# Allegro board MB1248D.brd (continued)
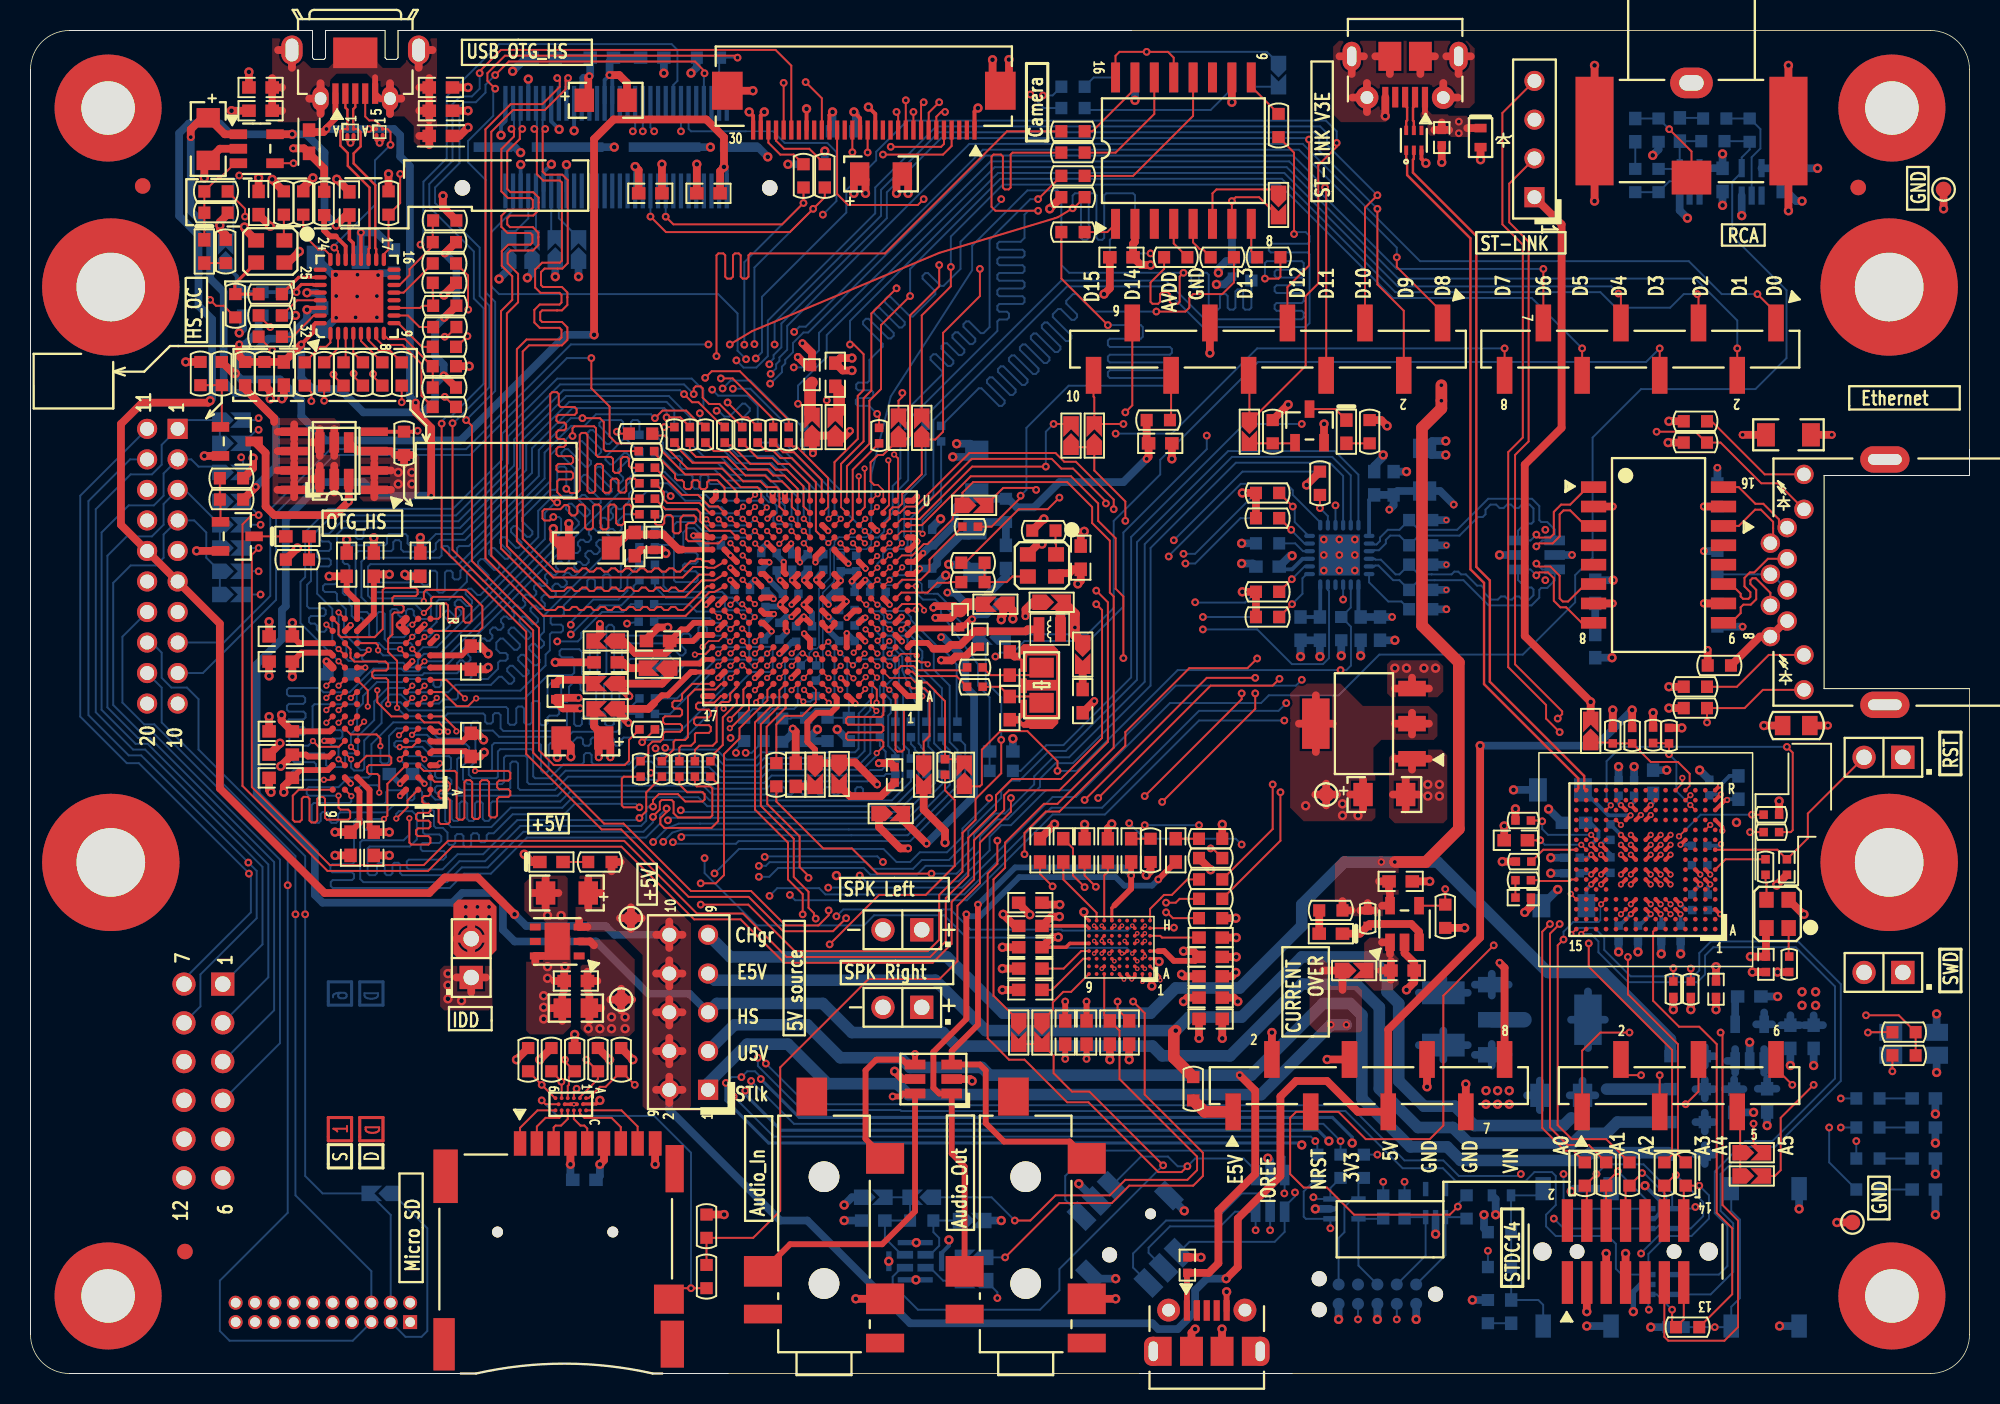
[diagram p0: board, top side]
## Routing (per net, layer and track width the routed paths; a pad name or vN(x,y) marks a point on that pad's centre or on a via; arc(x,y) is an arc through that point) (continued)
  BOTTOM w0.127: SB45.2 63.33,5.32 v1(63.33,4.94)
NETR88_1: length 11.8
  TOP w0.127: R88.1 40.47,40.63 40.47,41.14 40.73,41.4 41.24,41.4 41.43,41.59 41.43,41.92 41.56,42.05 42.55,42.05 42.68,42.17 42.68,42.43 42.55,42.56 41.56,42.56 41.43,42.68 41.43,42.94 41.56,43.06 42.55,43.06 42.68,43.19 42.68,43.44 42.55,43.57 42.17,43.57 42.04,43.7 42.04,43.95 42.17,44.08 42.55,44.08 42.68,44.21 42.68,44.52 43.35,45.19 U6.B17
NETR89_1: length 8.1
  TOP w0.127: R89.1 42.12,40.88 42.12,41.39 42.25,41.52 42.88,41.52 43.06,41.7 43.06,44.36 43.52,44.82 44.86,44.82 45.23,45.19 U6.B16
NETR90_2: length 10.2
  TOP w0.127: R90.2 42.5,41.01 42.63,41.14 43.26,41.14 43.52,41.39 43.52,41.9 43.59,41.97 44.43,41.97 44.56,42.1 44.56,42.36 44.43,42.48 43.59,42.48 43.46,42.61 43.46,42.86 43.59,42.99 44.43,42.99 44.56,43.12 44.56,43.37 44.43,43.5 43.72,43.5 43.59,43.63 43.59,43.83 43.72,43.96 44.79,43.96 45.22,44.39 U6.A16
NETR91_2: length 7
  TOP w0.127: U6.B15 46.26,44.97 45.83,44.54 45.83,44.11 45.71,44 45.26,44 44.94,43.68 44.94,41.39 44.68,41.14 43.8,41.14 43.52,40.85 R91.2
NETR92_2: length 5
  TOP w0.127: R92.2 44.79,40.37 44.79,40.63 45.34,41.19 45.34,42.99 46.26,43.91 U6.A15
NETR93_2: length 7.1
  TOP w0.102: 51.44,43.98 51.44,44.81 U6.B9
  TOP w0.127: R93.2 48.85,42.53 49.41,43.09 50.55,43.09 51.44,43.98
NETR94_2: length 6.7
  TOP w0.102: U9.L4 v2(107.98,35.2)
  TOP w0.127: R94.2 v1(112.76,36.62)
  BOTTOM w0.127: v2(107.98,35.2) 109.39,36.62 v1(112.76,36.62)
NETR99_1: length 12.6
  TOP w0.127: R99.1 77.42,34.41 v1(77.3,34.41) ; U12.D4 71.67,27.52 v3(71.49,27.52) U12.D5
  L4_SIG w0.102: v1(77.3,34.41) 75.9,33.01 75.9,29.18 74.46,27.74 72.38,27.74 72.29,27.82 71.79,27.82 v3(71.49,27.52)
NETR100_2: length 3.3
  TOP w0.127: R100.2 99.08,34.32 U9.J15
NETR102_1: length 1.7
  TOP w0.127: R102.1 113.64,32.21 113.71,32.15 X4.3
NETR102_2: length 3.6
  TOP w0.127: U9.G1 111.02,33.69 R102.2
NETR103_2: length 4.8
  TOP w0.127: U12.H1 73.33,29.68 73.33,30.44 74.05,31.16 74.05,31.17 74.24,31.36 74.76,31.36 75.77,32.37 R103.2
NETR104_1: length 3
  TOP w0.127: R104.1 98.75,32.32 98.8,32.27 100.83,32.27 100.93,32.37 U9.F15
NETR105_2: length 5.5
  TOP w0.127: R105.2 75.27,31.1 75.01,30.85 v1(74.38,30.85) ; U12.F3 v3(72.49,28.84)
  L4_SIG w0.102: v1(74.38,30.85) 73.94,30.85 72.49,29.39 v3(72.49,28.84)
NETR108_1: length 4.3
  TOP w0.127: v1(74.38,30.21) 74.45,30.21 74.83,29.83 R108.1 ; U12.G2 v3(72.99,29.34)
  L4_SIG w0.102: v1(74.38,30.21) 73.86,30.21 v3(72.99,29.34)
NETR110_2: length 1.9
  TOP w0.127: R110.2 115.16,27.36 X4.1
NETR111_2: length 4.9
  TOP w0.102: U9.C6 v2(107.42,30.09)
  TOP w0.127: R111.2 v1(107.6,26.56)
  L4_SIG w0.102: v1(107.6,26.56) 107.42,26.74 v2(107.42,30.09)
NETR112_2: length 7
  TOP w0.102: U9.D6 v2(107.42,30.74)
  TOP w0.127: R112.2 v1(108.75,26.53)
  L4_SIG w0.102: v1(108.75,26.53) 108.75,30.59 108.31,31.03 108.29,31.03 108.22,31.1 107.78,31.1 v2(107.42,30.74)
NETR124_2: length 2.3
  BOTTOM w0.127: R124.2 69.04,84.33 69.63,84.92 U14.9
NETR125_2: length 11
  BOTTOM w0.127: R125.2 69.17,82.79 77.3,82.79 78.69,84.19 U14.15
NETR126_2: length 7.1
  BOTTOM w0.127: U15.2 112.73,79.7 113.31,80.27 113.31,81.54 112.62,82.23 R127.1 R126.2
NETR132_1: length 4.6
  BOTTOM w0.127: R133.2 R132.1 107.35,78.12 108.39,78.12 108.67,77.84 U16.2
NETR134_1: length 2.3
  BOTTOM w0.127: U14.8 71.07,74.66 70.69,74.28 R134.1
NETR135_1: length 2.2
  BOTTOM w0.127: R135.1 U14.1
NETR136_1: length 8.2
  TOP w0.203: U4.27 18.53,71.33 18.5,71.36 17.74,71.36 17.42,71.04 v1(17.42,70.86)
  BOTTOM w0.254: 13.93,70.86 R138.2 13.51,71.27 13.51,71.27 ; 13.93,70.86 15.2,70.86 ; 13.93,70.86 13.51,71.27 ; SB30.2 13.51,71.91 13.51,71.27 ; 15.2,70.86 16.46,70.86 R136.1 16.47,70.86 v1(17.42,70.86) ; 15.2,70.86 R137.1
NETR139_1: length 8.6
  TOP w0.102: 58.41,55.05 58.27,55.18 57.05,55.18 U6.P2
  TOP w0.127: 58.41,55.05 v2(58.43,55.03)
  BOTTOM w0.127: v2(58.43,55.03) 58.43,55.92 59.64,57.14 59.64,61.08
NETR140_2: length 11
  TOP w0.102: U6.L4 v2(55.47,52.8)
  BOTTOM w0.127: v2(55.47,52.8) 55.47,53.06 55.83,53.43 55.83,53.71 56.15,54.03 57.22,54.03 57.45,54.25 57.45,54.64 57.23,54.85 57.23,57.52 58.63,58.92 58.63,61.08
NETR141_1: length 7.6
  TOP w0.127: v2(57.08,54.41) 57.08,54.41 U6.N2
  BOTTOM w0.127: v2(57.08,54.41) 56.85,54.63 56.85,57.9 57.49,58.54 57.49,61.08
NETR142_1: length 8
  TOP w0.102: U6.P4 v2(54.65,55.2)
  BOTTOM w0.127: v2(54.65,55.2) 53.09,56.76 53.09,57.82 50.68,60.24 R142.1
NETR143_2: length 7
  TOP w0.102: U6.R7 v2(53.07,56)
  BOTTOM w0.127: R143.2 49.66,60.7 52.66,57.7 52.66,56.42 v2(53.07,56)
NETR144_2: length 8.2
  TOP w0.102: U6.T7 v2(52.27,56)
  BOTTOM w0.127: R144.2 48.82,61 52.27,57.55 v2(52.27,56)
NETR145_2: length 10.5
  TOP w0.102: v2(52.26,54.41) 52.26,54.4 52.27,54.4 U6.P7
  BOTTOM w0.127: v2(52.26,54.41) 51.44,55.23 51.44,57.84 48.79,60.49 47.12,60.49 R145.2
NETR146_2: length 11
  TOP w0.102: U6.N9 v2(50.65,54.4)
  BOTTOM w0.127: R146.2 46.36,60.11 48.63,60.11 50.9,57.84 50.91,57.84 51.03,57.72 51.03,54.79 v2(50.65,54.4)
NETR147_2: length 10
  TOP w0.102: U6.R9 v2(50.65,56)
  BOTTOM w0.127: v2(50.65,56) 50.65,57.56 48.56,59.65 46.24,59.65 45.42,60.47 44.73,60.47 R147.2
NETR148_2: length 11.5
  TOP w0.102: U6.P9 v2(50.65,55.2)
  BOTTOM w0.127: R148.2 44.12,60.06 45.22,60.06 46.01,59.27 48.4,59.27 50.25,57.42 50.25,55.6 v2(50.65,55.2)
NETR149_2: length 11.3
  TOP w0.102: U6.R10 v2(49.85,56)
  BOTTOM w0.127: R149.2 43.52,59.65 45.01,59.65 45.78,58.89 48.14,58.89 48.98,58.05 48.98,57.49 49.15,57.32 49.69,57.32 49.85,57.16 v2(49.85,56)
NETR150_2: length 13.3
  TOP w0.102: v2(49.03,56.02) U6.R11
  BOTTOM w0.127: R150.2 41.41,61 41.41,60.57 42,59.97 42.18,59.97 42.32,60.11 42.5,60.11 42.68,59.93 42.68,59.75 42.54,59.61 42.54,59.43 42.7,59.27 44.76,59.27 45.52,58.51 47.89,58.51 48.24,58.15 48.24,57.53 48.46,57.32 48.83,57.32 49.06,57.09 49.18,57.09 49.41,56.86 49.41,56.4 v2(49.03,56.02)
NETR151_2: length 14.7
  TOP w0.102: U6.P10 v2(49.85,55.2)
  BOTTOM w0.127: R151.2 42.37,58.89 43.24,58.89 43.36,58.76 43.36,58.1 43.49,57.98 43.74,57.98 43.87,58.1 43.87,58.76 44,58.89 44.28,58.89 44.4,58.76 44.4,58.41 44.53,58.28 45.17,58.28 45.42,58.03 47.75,58.03 47.88,57.9 47.88,57.58 48.01,57.44 48.01,57.44 48.36,57.09 48.65,57.09 48.87,56.86 48.87,56.39 48.66,56.17 48.66,55.87 48.87,55.65 49.67,55.65 49.69,55.63 49.82,55.63 49.85,55.61 v2(49.85,55.2)
NETR152_1: length 8.9
  TOP w0.127: U6.T13 48.22,56.74 v2(48.23,56.74)
  BOTTOM w0.127: v2(48.23,56.74) 47.78,57.19 44.61,57.19 44.23,57.57 43.04,57.57 41.54,59.07 41.18,59.07 R152.1
NETR154_1: length 7.3
  TOP w0.102: U6.R14 v2(46.65,56)
  BOTTOM w0.127: v2(46.65,56) 46.28,56.37 45.65,56.37 45.27,56.76 44.45,56.76 44.02,57.19 42.88,57.19 41.74,58.33 R154.1
NETR156_2: length 2.2
  TOP w0.508: U5.15 v1(109.6,56.81)
  BOTTOM w0.508: R156.2 v1(109.6,56.81)
NETR157_1: length 6.1
  TOP w0.102: U6.R15 v2(45.85,56)
  BOTTOM w0.127: R157.1 41.64,56.58 43.69,56.58 43.92,56.36 45.29,56.36 45.64,56 v2(45.85,56)
NETR159_1: length 7.6
  TOP w0.102: U6.R13 v2(47.45,56)
  BOTTOM w0.127: R159.1 41.03,56.17 43.52,56.17 44.12,55.57 47.01,55.57 v2(47.45,56)
NETR162_1: length 7.9
  TOP w0.102: U6.P14 v2(46.65,55.2)
  BOTTOM w0.127: R162.1 41.44,55.28 41.62,55.11 41.62,54.8 41.75,54.68 42,54.68 42.13,54.8 42.13,55.59 42.33,55.79 43.44,55.79 44.03,55.2 v2(46.65,55.2)
NETR163_1: length 2.2
  BOTTOM w0.127: U18.10 83.35,53.88 82.83,54.4 R163.1
NETR165_1: length 16.6
  TOP w0.102: U6.P13 v2(47.45,55.2)
  BOTTOM w0.127: v2(47.45,55.2) 47.02,54.78 44.07,54.78 43.46,55.39 43.03,55.39 42.75,55.11 42.75,53.91 42.88,53.79 43.57,53.79 43.69,53.66 43.69,53.2 43.57,53.07 42.85,53.07 42.73,52.94 42.73,52.69 42.85,52.56 43.57,52.56 43.69,52.43 43.69,51.98 43.57,51.86 42.27,51.86 42.14,51.98 42.14,54.14 41.99,54.29 41.05,54.29 R165.1
NETR168_2: length 7.9
  TOP w0.102: v2(46.61,50.41) 47.03,49.99 U6.H14
  BOTTOM w0.127: v2(46.61,50.41) 46.41,50.41 45.98,50.84 45.67,50.84 45.29,51.22 41.84,51.22 41.46,51.6 41.46,52.44 R168.2
NETR169_2: length 8.5
  TOP w0.102: U6.G14 v2(47.44,49.57)
  BOTTOM w0.127: R169.2 40.9,51.55 41.61,50.84 45.22,50.84 45.48,50.58 45.48,50.22 45.69,50.01 46.99,50.01 v2(47.44,49.57)
NETR172_2: length 5.9
  TOP w0.127: v2(45.83,49.57) 45.46,49.94 U6.H16
  BOTTOM w0.127: R172.2 43.13,50.41 43.62,49.93 45.45,49.93 45.6,49.78 45.62,49.78 v2(45.83,49.57)
NETR173_1: length 3.9
  BOTTOM w0.127: U18.24 87.67,51.84 88.93,50.59 89.79,50.59 R173.1
NETR174_2: length 2.2
  TOP w0.508: U5.10 v1(109.6,50.46)
  BOTTOM w0.508: R174.2 v1(109.6,50.46)
NETR176_1: length 6
  TOP w0.127: U6.G15 v2(45.85,48.78)
  BOTTOM w0.127: v2(45.85,48.78) 45.43,49.19 44.79,49.19 44.48,49.49 41.08,49.49 R176.1
NETR178_1: length 1.3
  TOP w0.102: v2(51.44,47.13) 51.52,47.13 U6.D8
  BOTTOM w0.102: v2(51.44,47.13) 51.47,47.1 R178.1
NETR179_2: length 10.8
  TOP w0.102: U6.F15 45.83,47.96 v2(45.81,47.96)
  BOTTOM w0.127: R179.2 41.3,46.67 41.48,46.67 41.82,46.33 42,46.33 42.18,46.51 42.18,46.69 41.84,47.03 41.84,47.21 42.02,47.39 42.2,47.39 42.54,47.05 42.72,47.05 42.9,47.23 42.9,47.41 42.63,47.69 42.63,48.35 42.75,48.48 43.11,48.48 43.24,48.35 43.24,48.1 43.36,47.97 43.62,47.97 43.74,48.1 43.74,48.86 43.87,48.99 44.18,48.99 44.3,48.86 44.3,48.47 44.43,48.34 45.43,48.34 v2(45.81,47.96)
NETR180_2: length 9.6
  TOP w0.102: U6.E12 v2(48.25,47.18)
  BOTTOM w0.127: R180.2 41.47,45.82 42.21,45.82 42.23,45.84 42.25,45.84 42.93,46.52 43.59,46.52 44.66,47.59 46.87,47.59 47.08,47.38 47.08,47.02 47.32,46.78 47.85,46.78 v2(48.25,47.18)
NETR181_1: length 1.5
  TOP w0.127: v2(50.62,44.03) U6.A10
  BOTTOM w0.127: v2(50.62,44.03) 51.08,44.03 R181.1
NETR182_2: length 8.3
  TOP w0.102: U6.D13 v2(47.45,46.38)
  BOTTOM w0.127: R182.2 42.35,44.24 44.89,46.78 46.87,46.78 47.27,46.38 v2(47.45,46.38)
NETR183_1: length 6
  TOP w0.102: U6.D16 v2(45.05,46.38)
  BOTTOM w0.127: R183.1 41.89,43.22 v2(45.05,46.38)
NETR184_2: length 11.3
  TOP w0.102: U6.J4 v2(55.47,50.38)
  BOTTOM w0.127: v2(55.47,50.38) 55.52,50.33 55.61,50.33 55.97,49.96 57.27,49.96 57.66,49.57 57.66,49.38 59.36,47.68 59.53,47.68 60.38,46.83 60.66,46.45 60.66,42.76 R184.2
NETR185_2: length 7.9
  TOP w0.127: v2(57.03,48.76) 57.08,48.81 57.08,48.81 U6.G1
  BOTTOM w0.127: v2(57.03,48.76) 57.23,48.76 57.87,48.12 57.87,47.87 58.41,47.32 58.41,46.89 58.37,46.85 58.37,46.22 59.69,44.9 R185.2
NETR186_2: length 9
  TOP w0.102: v2(55.45,49.57) 55.45,49.6 U6.H4
  BOTTOM w0.127: v2(55.45,49.57) 55.45,49.5 55.86,49.09 55.86,48.61 56.12,48.35 56.4,48.35 56.62,48.13 56.62,47.82 57.41,47.03 57.41,45.95 58.81,44.55 58.81,42.84 R186.2
NETR187_2: length 8.1
  TOP w0.127: U6.A2 56.66,40.88 56.79,40.76 57.08,40.76 57.21,40.88 57.21,43.47 57.33,43.6 v2(57.65,43.6)
  BOTTOM w0.127: R187.2 57.66,43.59 v2(57.65,43.6)
NETR188_2: length 2.9
  TOP w0.102: U6.B3 v2(56.25,44.8)
  BOTTOM w0.127: R188.2 56.77,42.84 56.77,44.27 v2(56.25,44.8)
NETR189_2: length 7
  TOP w0.102: U6.D6 53.84,46.41 v2(53.87,46.41)
  BOTTOM w0.127: v2(53.87,46.41) 54.27,46.81 55.63,46.81 55.84,46.6 55.84,45.23 55.63,45.02 55.63,44.39 55.94,44.08 55.94,43.4 55.8,43.26 55.8,42.88 R189.2
NETR190_1: length 6.4
  TOP w0.102: U6.E7 v2(53.04,47.21)
  BOTTOM w0.127: R191.2 R190.1 53.6,44.26 53.5,44.36 53.5,46.75 v2(53.04,47.21)
NETR193_2: length 5.1
  TOP w0.102: v2(50.65,45.58) U6.C9
  BOTTOM w0.127: v2(50.65,45.58) 50.25,45.18 50.25,43.79 50.02,43.55 48.6,43.55 R193.2
NETR194_2: length 7.6
  TOP w0.102: U6.D9 50.69,47.16 50.6,47.16 v2(50.57,47.19)
  BOTTOM w0.127: R194.2 47.33,43.55 47.73,43.55 47.96,43.78 47.96,44.13 48.14,44.31 49.19,44.31 49.41,44.53 49.41,46.56 49.66,46.81 50,46.81 50.38,47.19 v2(50.57,47.19)
NETR195_2: length 8.5
  TOP w0.102: v2(46.61,46.39) 46.65,46.39 U6.C14
  BOTTOM w0.127: v2(46.61,46.39) 46.23,46.01 45.72,46.01 45.41,45.7 45.41,44.94 42.68,42.2 R195.2
NETR197_2: length 14.2
  TOP w0.102: v2(54.74,50.39) 54.66,50.39 U6.J5
  BOTTOM w0.127: v2(54.74,50.39) 54.74,50.33 55.13,49.95 55.6,49.95 55.9,49.65 55.9,49.44 56.13,49.21 57.29,49.21 59.16,47.34 59.16,46.12 60.2,45.07 60.2,41.38 60.71,40.87 R197.2
NETR198_2: length 10.8
  TOP w0.102: U6.G3 v2(56.27,48.78)
  BOTTOM w0.127: R198.2 59.69,40.78 59.19,41.29 59.19,44.77 57.64,46.32 57.64,47.44 57.44,47.64 57.44,48.13 57.22,48.34 56.73,48.34 56.5,48.58 56.47,48.58 v2(56.27,48.78)
NETR199_2: length 10.4
  TOP w0.102: U6.G4 v2(55.47,48.78)
  BOTTOM w0.127: v2(55.47,48.78) 55.47,48.54 55.85,48.16 55.85,47.86 56.17,47.54 56.51,47.54 57.1,46.95 57.1,46.06 58.11,43.65 58.17,43.5 58.17,41.28 58.32,41.13 58.32,41.04 58.55,40.81 58.55,40.43 R199.2
NETR200_2: length 8.2
  TOP w0.102: U6.E2 56.66,47.55 56.28,47.17 v2(56.27,47.17)
  BOTTOM w0.127: R200.2 57.54,40.43 57.54,40.84 57.15,41.22 57.15,44.57 56.88,44.85 56.88,46.8 56.65,47.03 56.41,47.03 v2(56.27,47.17)
NETR201_2: length 9.7
  TOP w0.102: U6.F3 v2(55.48,48.01)
  BOTTOM w0.127: v2(55.48,48.01) 55.48,47.91 55.86,47.53 55.86,47.02 56.08,46.8 56.38,46.8 56.64,46.55 56.64,45.7 56.1,45.16 56.1,45.16 55.88,44.95 55.88,44.59 56.35,44.13 56.35,43.28 56.18,43.11 56.18,41.12 56.65,40.65 R201.2
NETR213_1: length 4.7
  BOTTOM w0.127: U21.2 58.93,7.78 59.52,8.37 59.52,8.88 59.14,9.26 R213.1 SB43.2
NETSB1_2: length 28.4
  TOP w0.305: U6.D17 44.11,46.79
  TOP w0.381: U6.A7 52.81,44.24 52.81,43.68 52.43,43.3 51.52,43.3 50.88,42.66 50.88,41.39 51.39,40.88 SB15.2 ; U6.U11 49.41,57.23 v2(49.41,57.68) ; 44.11,46.79 43.85,46.52 42.17,46.52 SB12.2
  TOP w0.508: v1(51.25,60.3) 51.25,61.19 SB2.2 51.39,61.46 52.51,61.46 SB1.2 53.16,61.25 v1(53.67,61.76) ; SB15.2 52.91,39.99 SB14.2 54.01,40.04 v1(55.45,38.6) ; v1(39.22,44.38) 38.44,45.16 SB11.2 41.36,45.2 41.86,45.71 SB12.2 ; v1(65.17,49.62) 65.17,50.06 65.64,50.53 SB46.2
  L4_SIG w0.381: v1(51.25,60.3) 51.25,60.3 51.2,60.34 51.2,60.34 51.19,60.33 51.19,60.06 49.41,58.28 v2(49.41,57.68)
NETSB8_1: length 28
  TOP w0.127: v1(65.87,57.9) 65.74,58.03 63.71,58.03 SB8.1
  L4_SIG w0.102: v1(74.55,53.53) 74,54.09 74,54.62 70.72,57.9 v1(65.87,57.9)
  BOTTOM w0.127: v1(74.55,53.53) 74.55,53.57 79.27,58.29 82.26,58.29 82.68,57.88 82.68,57.57 84.47,55.77 U18.13
NETSB16_2: length 6.4
  TOP w0.127: SB16.2 58.5,41.39 58.88,41.77 58.88,44.57 58.55,44.9 57.75,44.9 U6.B1
NETSB22_2: length 4.7
  TOP w0.127: U12.A9 68.16,25.01 67.65,25.01 66.96,24.32 66.96,23.81 SB22.2
NETSB25_1: length 2.3
  BOTTOM w0.127: U14.16 79.96,84.44 80.09,84.32 SB25.1
NETSB44_2: length 33.1
  TOP w0.127: v1(63.84,7.61) 67.39,11.16 70.82,11.16 71.96,12.31 76.15,12.31 76.79,12.94 76.79,14.47 72.98,18.28 72.98,23.61 v1(72.22,24.37) ; U12.C6 v3(70.99,27.02)
  L4_SIG w0.102: v3(70.99,27.02) 71.31,26.69 71.31,25.56 72.22,24.65 v1(72.22,24.37)
  BOTTOM w0.127: SB44.2 v1(63.84,7.61)
NETSB47_2: length 6.5
  TOP w0.127: SB47.2 81.49,77.59 77.68,77.59 77.42,77.32 U3.6
NETSB48_2: length 33.3
  TOP w0.305: U6.C17 44.64,45.97 43.54,45.97
  TOP w0.381: v2(48.61,57.68) 48.61,57.24 U6.U12 ; U6.A6 53.49,44.36 53.57,44.36 v2(54.03,43.9) ; 43.54,45.97 43.26,45.97 41.74,44.44 41.36,44.44 40.85,43.93
  TOP w0.508: SB48.2 55.58,35.8 56.98,34.41 v1(57.49,34.41) ; 40.85,43.93 40.47,43.55 SB49.2 38.44,43.36 v1(39.17,42.63)
  L4_SIG w0.305: v2(54.03,43.9) 54.11,43.9 54.35,43.66 54.47,43.66 55.48,42.66
  L4_SIG w0.381: v2(48.61,57.68) 48.61,57.47 48.99,57.09 49.65,57.09 49.99,57.43 49.99,57.77 51.88,59.66 51.88,62.56 52.16,62.85 52.16,63.76 v1(52.15,63.77)
  L4_SIG w0.508: v1(57.49,34.41) 56.39,35.5 56.39,41.74 55.48,42.66
NRST: length 265
  TOP w0.127: CN13.12 107.02,12.31 107.71,13.01 v1(107.78,13.01) ; P1.26 v1(49.33,84.57) ; v1(95.84,28.06) 92.54,24.75 92.54,16.24 91.65,15.36 87.46,15.36 85.67,17.15 CN8.3 82.9,17.15 82.5,16.75 82.5,13.07 83.39,12.18 84.92,12.18 86.7,10.4 92.96,10.4 v1(93.49,10.94)
  L4_SIG w0.102: v1(13.67,78.5) 14.31,79.14 16.13,79.14 16.77,78.5 17.48,78.5 18.2,77.78 26.08,77.78 27.72,79.41 28.54,79.41 30.33,81.21 30.33,81.34 33.28,84.29 43.85,84.29 44.4,84.84 47.64,84.84 47.91,84.57 v1(49.33,84.57) 49.71,84.19 59.24,84.19 60.41,83.02 60.41,78.44 68.88,69.97 72.34,69.97 80.09,62.22 v1(83.27,62.22) 85.43,60.06 85.43,56.93 ; 85.43,56.93 84.2,55.71 84.2,48 85.04,47.15 85.04,46.22 82.76,43.93 82.76,40.76 85.43,38.09 85.43,35.68 87.71,33.39 87.71,32.37 92.03,28.06 v1(95.84,28.06) ; 85.43,56.93 v1(85.47,56.88) ; v1(93.49,10.94) 93.49,9.2 96.41,6.28 101.87,6.28 102.57,6.97 102.57,8.24 102.95,8.62 104.98,8.62 105.49,8.12 v1(105.49,7.86) 105.49,3.93 105.87,3.54 109.81,3.54 v1(110.32,3.04)
  BOTTOM w0.127: D13.1 v1(110.32,3.04) 111.32,3.04 B1.3 111.4,4.37 111.97,4.94 111.97,10.09 111.4,10.66 B1.2 ; v1(93.49,10.94) 93.49,11.1 R210.2 ; SB30.1 13.29,74.66 13.29,78.12 v1(13.67,78.5) ; R202.2 64.85,39.49 66.54,41.17 67.65,41.17 72.09,45.61 72.09,54.81 79.5,62.22 v1(83.27,62.22) ; v1(85.47,56.88) U18.15 ; v1(107.78,13.01) 109.56,11.23 109.56,10.31 108.75,9.5 D14.5 107.1,9.5 105.49,7.89 v1(105.49,7.86)
OSC_24M: length 4.2
  TOP w0.203: X1.3 13.38,71.4 13.38,70.76 R24.1 R23.2
OSC_25M: length 4.3
  TOP w0.127: X2.3 64.31,52.22 63.94,51.86 R73.2 R72.1
PA0: length 70.5
  TOP w0.102: v2(53.87,54.4) 53.87,54.38 U6.N5
  L4_SIG w0.102: v1(14.94,62.6) 14.94,64.5 15.19,64.76 15.19,68.95 16.99,70.75 16.99,71.04 17.24,71.29 17.28,71.29 18.62,72.63 24.82,72.63 26.37,74.18 50.54,74.18 56.47,68.25 56.47,64.25 57.1,63.62 57.1,60.22 56.34,59.46 56.34,59.45 56.06,59.17 55.17,59.17 53.43,57.43 53.43,54.97 53.87,54.53 v2(53.87,54.4)
  BOTTOM w0.127: v1(14.94,62.6) 14.81,62.47 SB31.1
PA0_C: length 79.5
  TOP w0.127: U6.T1 58.1,56.39 61.65,59.93 66.88,59.93 67.52,59.3 68.28,59.3 70.44,57.14 v1(70.44,57.01) ; v1(106.71,19.55) CN9.3
  L4_SIG w0.102: v1(106.71,19.55) 106.2,20.05 96.73,20.05 95.97,20.82 90.25,20.82 83.65,27.42 83.65,33.85 73.23,44.26 73.23,49.52 71.84,50.92 71.84,54.22 70.82,55.23 70.82,56.12 70.44,56.5 v1(70.44,57.01)
PA1: length 35.3
  TOP w0.102: U6.N4 55.43,54.36 v2(55.44,54.36)
  L4_SIG w0.102: v2(55.44,54.36) 55.44,54.62 55.92,55.1 55.92,55.32 56.13,55.53 57.07,55.53 60.33,58.79 70.69,58.79 v1(74.88,54.6)
  BOTTOM w0.127: v1(74.88,54.6) 79.38,59.09 R153.2
PA1_C: length 85
  TOP w0.127: U6.T2 56.94,56.39 57.35,56.81 57.98,56.81 61.49,60.31 67.14,60.31 67.71,59.74 68.47,59.74 70.95,57.27 v1(70.95,56.63) ; CN9.4 109.25,18.48 v1(108.41,17.64)
  L4_SIG w0.102: v1(108.41,17.64) 108.41,19.29 107.27,20.44 96.86,20.44 95.97,21.32 90.25,21.32 84.03,27.55 84.03,34.1 73.74,44.39 73.74,49.65 72.32,51.07 72.32,54.24 71.2,55.36 71.2,56.38 v1(70.95,56.63)
PA2: length 30
  TOP w0.102: v2(56.27,54.4) U6.N3
  L4_SIG w0.102: v2(56.27,54.4) 56.37,54.4 60.38,58.41 70.64,58.41 74.38,54.68 74.38,54.42 75.09,53.71 v1(75.52,53.71)
  BOTTOM w0.127: R155.2 76.28,53.71 v1(75.52,53.71)
PA4: length 118.2
  TOP w0.102: 55.26,58.23 55.51,58.23 55.86,57.88 U6.U3
  TOP w0.127: CN9.1 101.63,21.15 102.82,22.34 v1(104.73,22.34) ; v1(59.52,72.63) 59.52,71.24 57.61,69.33 57.61,61.46 57.36,61.2 SB3.2 55.83,60.19 55.5,60.19 55.02,59.7 55.02,58.46 55.26,58.23 ; P1.17 v1(53.83,80.02)
  L4_SIG w0.102: v1(53.83,80.02) 55.78,78.07 55.78,76.37 v1(59.52,72.63) 65.1,67.04 72.64,67.04 76.15,63.53 76.15,60.94 78.89,58.21 78.89,57.5 81.23,55.16 81.23,41.26 84.92,37.58 84.92,35.68 87.33,33.26 87.33,26.66 91.14,22.85 96.6,22.85 97.11,22.34 v1(104.73,22.34)
PA5: length 69
  TOP w0.127: v1(18.39,63.72) 18.39,64.3 R35.2 ; v2(56.18,59.84) 56.23,59.79 56.23,56.9 55.86,56.53 U6.T3
  L4_SIG w0.102: v1(18.39,63.72) 18.27,63.84 18.27,65.06 18.39,65.19 18.72,65.19 18.83,65.09 18.83,64.33 18.93,64.23 19.13,64.23 19.23,64.33 19.23,64.91 19.33,65.01 19.66,65.01 19.77,64.91 19.77,63.9 19.89,63.77 20.17,63.77 20.27,63.87 20.27,65.77 20.05,66 19.08,66 18.98,66.11 18.98,66.31 19.08,66.41 19.79,66.41 19.89,66.51 19.89,67.83 20.02,67.96 23.78,67.96 23.88,68.06 23.88,70.6 25.48,72.2 29.52,72.2 30.21,72.89 37.19,72.89 37.29,72.79 37.29,72.3 37.39,72.2 37.6,72.2 37.7,72.3 37.7,72.81 37.8,72.91 38,72.91 38.1,72.81 38.1,72.3 38.21,72.2 39.02,72.2 39.98,73.17 50.55,73.17 55.73,67.98 55.73,63.9 56.32,63.32 56.32,60.54 56.16,60.39 56.16,59.86 v2(56.18,59.84)
PA6: length 33.1
  TOP w0.127: v1(62.18,72.38) 62.18,70.6 59.77,68.19 59.77,61.71 59.26,61.2 SB4.2 58.37,58.92 57.09,57.63 57.09,57 56.85,56.76 56.47,56.76 56.28,56.57 56.28,56.01 U6.R3 ; P1.15 v1(54.83,80.01)
  L4_SIG w0.102: v1(62.18,72.38) 57.99,76.57 56.6,76.57 56.09,77.08 56.09,78.75 v1(54.83,80.01)
PA7: length 32.9
  TOP w0.102: U6.R5 v2(54.67,56)
  L4_SIG w0.102: v1(75.65,53.07) 75.95,53.38 75.95,54.14 70.16,59.93 63.33,59.93 62.57,59.17 60.28,59.17 57.11,56 v2(54.67,56)
  BOTTOM w0.127: v1(75.65,53.07) 76.28,53.07 79.25,56.05 R160.2
PA8: length 133.5
  TOP w0.102: v2(45.85,47.18) U6.E15
  L4_SIG w0.102: v1(25.54,73.97) 25.54,73.97 24.53,72.95 18.76,72.95 18.75,72.94 18.5,72.94 17.15,71.59 17.12,71.59 16.69,71.16 16.69,70.87 14.89,69.08 14.89,65.09 14.43,64.63 14.43,61.58 16.34,59.68 16.34,52.69 15.19,51.55 14.94,51.55 13.16,49.77 13.16,32.4 14.74,30.82 24.59,30.82 26.67,32.91 30.36,32.91 31.55,31.71 42.37,31.71 43.59,32.93 44.35,32.93 44.94,33.52 44.94,37.94 43.85,39.03 43.85,43.85 43.34,44.36 43.34,44.64 44.43,45.73 44.43,46.34 44.91,46.82 45.49,46.82 v2(45.85,47.18)
  BOTTOM w0.127: v1(25.54,73.97) 25.55,73.97 25.74,74.16 25.74,78.09 27.26,79.62 27.26,83.68 30.69,87.11 41.99,87.11 42.37,86.73 42.37,84.7 42.1,84.43 CN15.45
PA9: length 108.6
  TOP w0.102: U6.D15 v2(45.85,46.38)
  TOP w0.127: v1(109.3,12.31) 108.41,12.31 108.29,12.18 CN13.14
  L4_SIG w0.102: v2(45.85,46.38) 45.85,46.08 46.2,45.72 46.2,45.43 46.15,45.38 46.15,43.2 46.87,42.48 46.87,41.68 47.58,40.97 47.58,39.57 48.52,38.63 48.52,33.67 48.14,33.29 48.14,32.37 47.64,31.87 v1(47.64,20.69)
  BOTTOM w0.127: v1(109.3,12.31) 109.94,11.67 109.94,10.15 108.79,9.01 107.14,9.01 105.97,7.83 D15.3 104.22,6.48 103.84,6.86 103.84,8.5 103.33,9.01 99.9,9.01 99.27,9.64 99.27,10.4 99.9,11.04 99.9,12.94 99.65,13.2 98.51,13.2 97.87,12.56 93.4,12.56 92.51,13.45 89.87,13.45 86.12,17.2 57.04,17.2 56.97,17.26 50.53,17.26 47.64,20.15 v1(47.64,20.69)
PA10: length 104.4
  TOP w0.102: v2(46.65,47.16) 47.02,46.79 U6.D14
  TOP w0.127: CN13.13 108.29,3.54 R222.1 107.52,3.29 v1(107.52,4.18)
  L4_SIG w0.102: v1(106,4.18) 106,8.24 104.86,9.39 99.78,9.39 99.01,10.15 99.01,11.8 97.74,13.07 v1(97.62,13.07) ; v1(48.16,20.31) 48.16,20.87 47.97,21.06 47.97,31.77 48.44,32.24 48.44,33.16 48.82,33.54 48.82,38.76 47.88,39.7 47.88,41.1 47.24,41.74 47.24,42.54 46.36,43.42 46.36,45.3 46.4,45.34 46.4,45.81 46.26,45.95 46.26,46.76 v2(46.65,47.16)
  BOTTOM w0.127: v1(48.16,20.31) 50.83,17.64 57.13,17.64 57.2,17.58 86.38,17.58 90,13.96 92.54,13.96 93.55,12.94 97.49,12.94 v1(97.62,13.07) ; v1(107.52,4.18) 106.52,5.18 D15.1 105.97,4.21 v1(106,4.18)
PA11: length 80.8
  TOP w0.127: U6.E17 44.21,47.14 43.55,47.14 v2(43.52,47.11)
  L4_SIG w0.102: v2(43.52,47.11) 43.52,46.88 42.42,45.78 42.42,43.98 42.93,43.48 42.93,39.34 42.93,38.65 44.02,37.56 44.02,34.28 42.07,32.32 31.86,32.32 30.56,33.62 26.24,33.62 24.06,31.43 14.99,31.43 13.77,32.65 13.77,48.73 16.72,51.68 16.72,60.06 v1(14.94,61.84)
  BOTTOM w0.127: v1(14.94,61.84) 14.81,61.84 SB32.1
PA12: length 69.8
  TOP w0.102: U6.E16 v2(45.05,47.18)
  L4_SIG w0.102: v2(45.05,47.18) 44.88,47.18 44.18,46.47 44.18,45.91 43.03,44.77 43.03,44.24 43.54,43.73 43.54,38.9 44.63,37.81 44.63,33.64 44.23,33.24 43.47,33.24 42.25,32.02 31.73,32.02 30.51,33.24 26.4,33.24 24.29,31.13 14.86,31.13 13.47,32.52 13.47,49.44 v1(15.07,51.04)
  BOTTOM w0.127: SB38.1 v1(15.07,51.04)
PA13: length 137.5
  TOP w0.102: U6.C15 v2(45.85,45.58)
  TOP w0.127: v1(102.57,13.07) 101.81,12.31 101.94,12.18 CN13.4
  L4_SIG w0.102: v2(45.85,45.58) 45.67,45.4 45.67,45.15 45.04,44.52 45.04,43.13 44.59,42.68 44.59,39.35 44.97,38.97 45.88,38.06 45.88,32.3 46.06,32.12 v1(46.06,18.15) ; JP4.2 120.1,25.77 122.94,22.93 122.94,16.5 120.56,14.11 114.36,14.11 111.16,10.91 v1(109.05,10.91) 108.29,11.67 108.29,13.45 106.25,15.48 89.87,15.48 89.01,16.35 84.64,16.35 84.16,15.86 v1(84.16,15.23)
  BOTTOM w0.127: v1(46.06,18.15) 48.68,15.52 83.86,15.52 v1(84.16,15.23) 84.28,15.1 R208.2 ; v1(102.57,13.07) 103.21,13.7 105.65,13.7 107.53,11.83 107.53,10.93 107.66,10.8 D14.4 108.94,10.8 v1(109.05,10.91)
PA14: length 138.8
  TOP w0.127: v1(103.97,13.25) 103.21,12.49 CN13.6 ; v2(45.8,42.86) 46.69,43.75 46.69,44.82 U6.B14
  L4_SIG w0.102: v2(45.8,42.86) 45.42,42.48 45.42,39.42 46.56,38.28 46.56,32.81 46.63,32.75 46.63,32.73 46.82,32.54 46.82,30.63 46.82,30.63 46.82,30.02 46.82,29.24 46.82,29.24 46.82,19.93 47.2,19.55 v1(47.2,19.17) ; JP4.1 123.75,25.16 123.75,16.16 120.94,13.35 114.64,13.35 111.28,10 108.44,10 106.76,11.67 106.76,13.58 105.75,14.59 102.32,14.59 100.79,13.07 v1(100.41,13.07) 100.16,13.07 98.51,14.72 89.36,14.72 88.5,15.58 86.16,15.58 v1(85.81,15.23)
  BOTTOM w0.127: R207.2 v1(85.81,15.23) 84.68,16.36 50,16.36 v1(47.2,19.17) ; v1(103.97,13.25) 105.97,11.25 D14.3 101.03,10.8 100.41,11.42 v1(100.41,13.07)
PA15: length 69.4
  TOP w0.127: U6.A14 47.06,43.49 45.85,42.28 v2(45.8,42.28)
  L4_SIG w0.102: v2(45.8,42.28) 45.84,42.28 47.27,40.85 47.27,39.44 48.09,38.63 v1(48.09,33.85) ; v1(55.83,33.52) 55.83,30.4 54.89,29.46 54.89,23.6 56.36,22.14 72.04,22.14 80.85,13.32 86.7,13.32 87.46,12.56 v1(88.6,12.56)
  BOTTOM w0.127: v1(55.83,33.52) 55.47,33.89 48.13,33.89 v1(48.09,33.85) ; R212.2 v1(88.6,12.56)
